# Allegro board AX7021B.brd
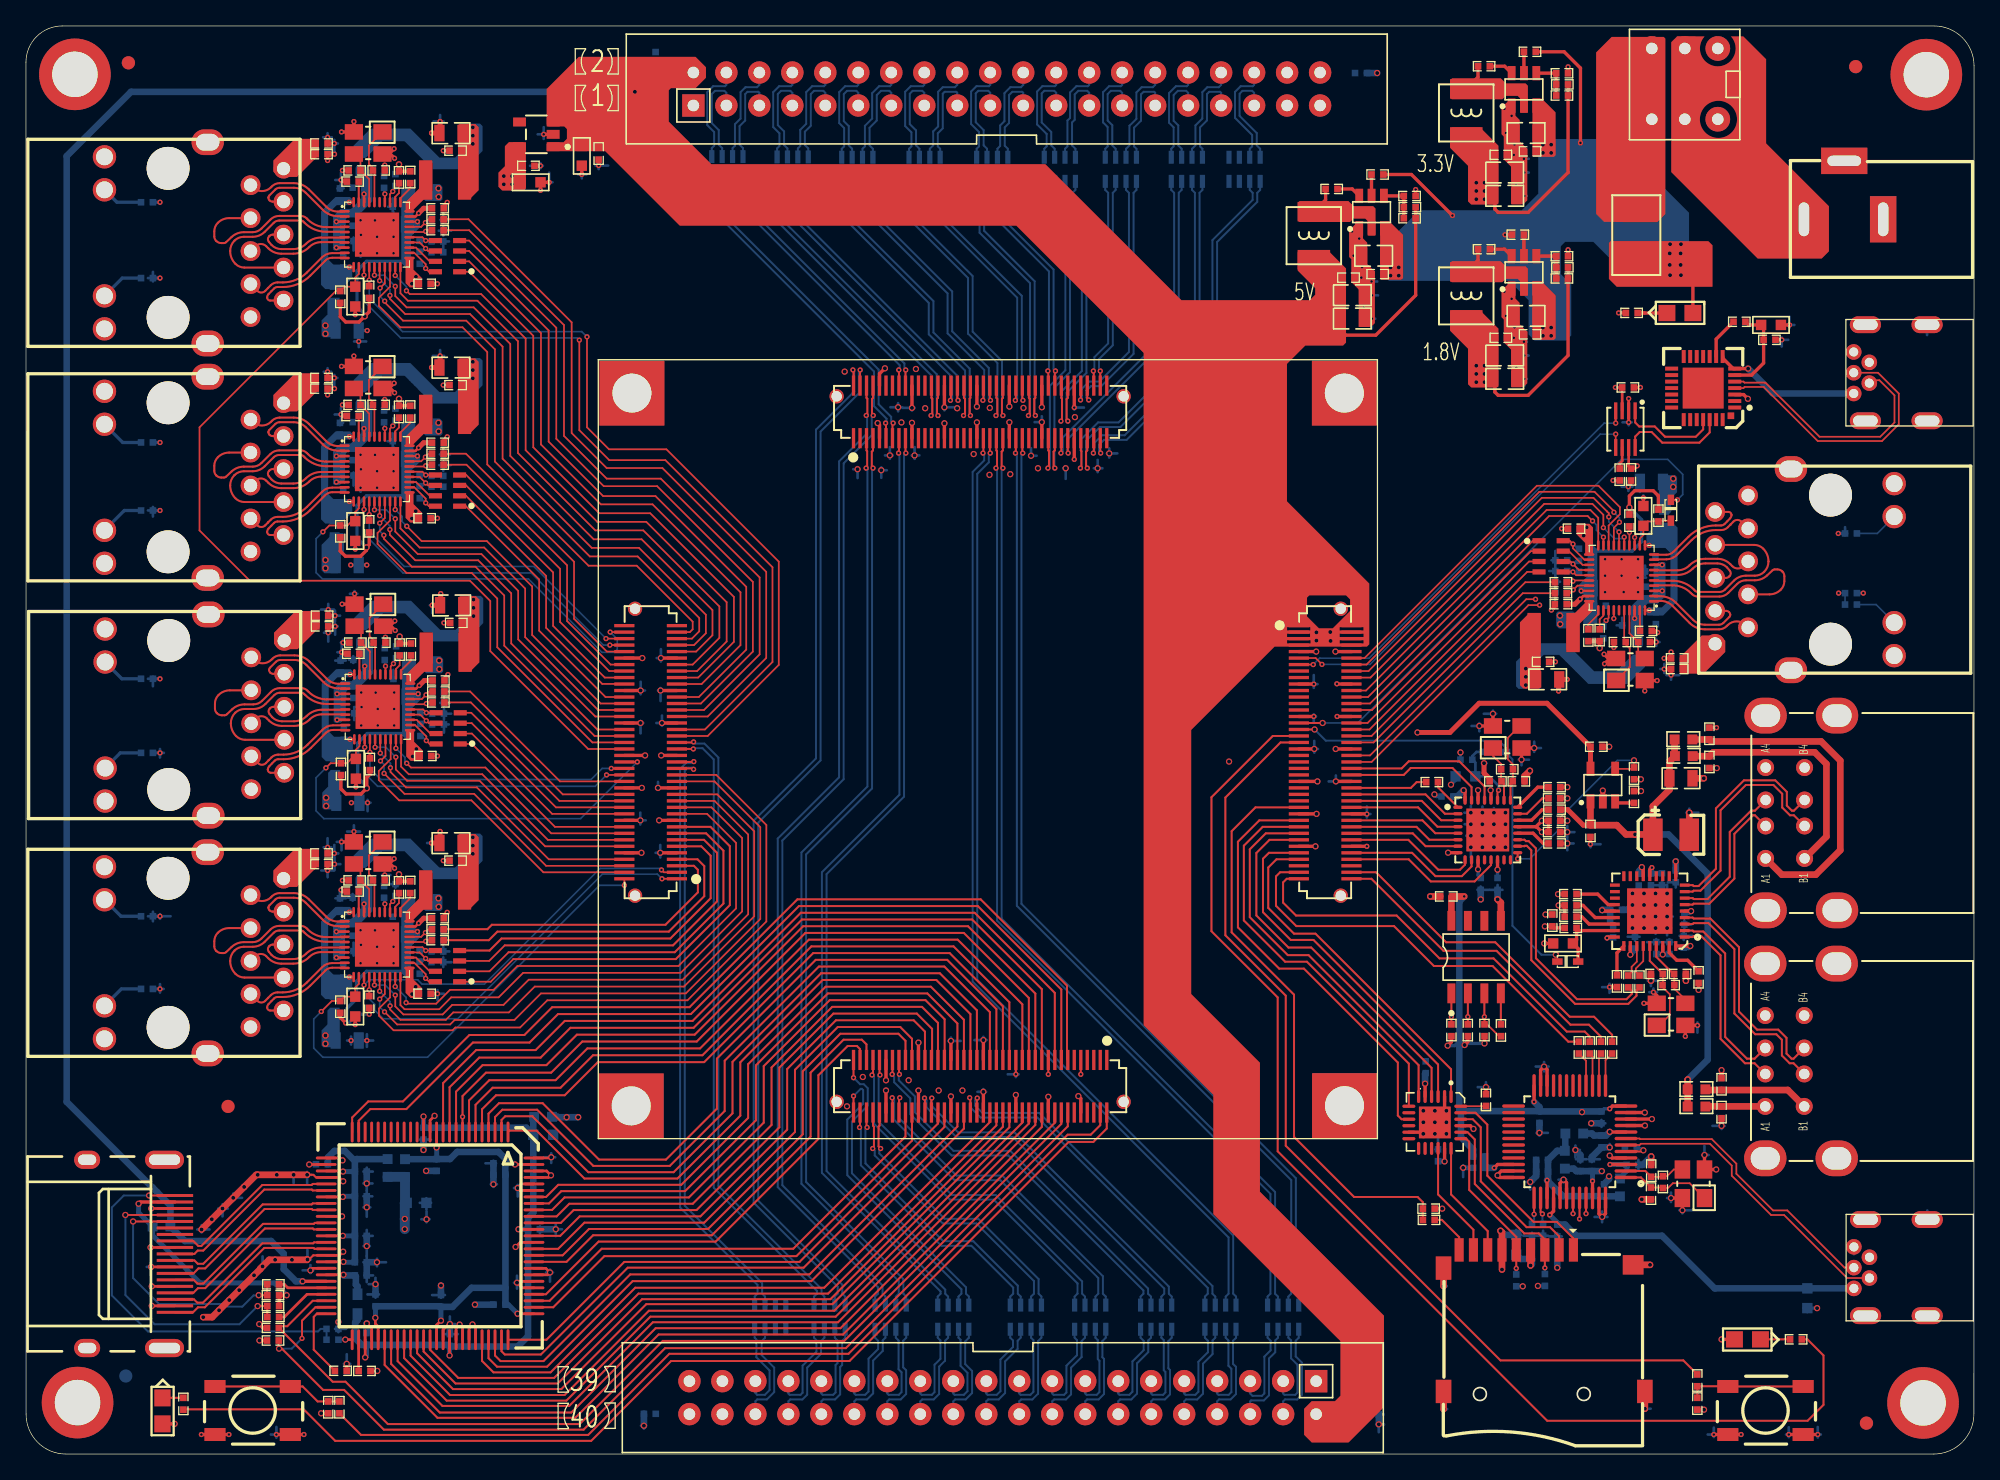
[diagram p0: board, top side]
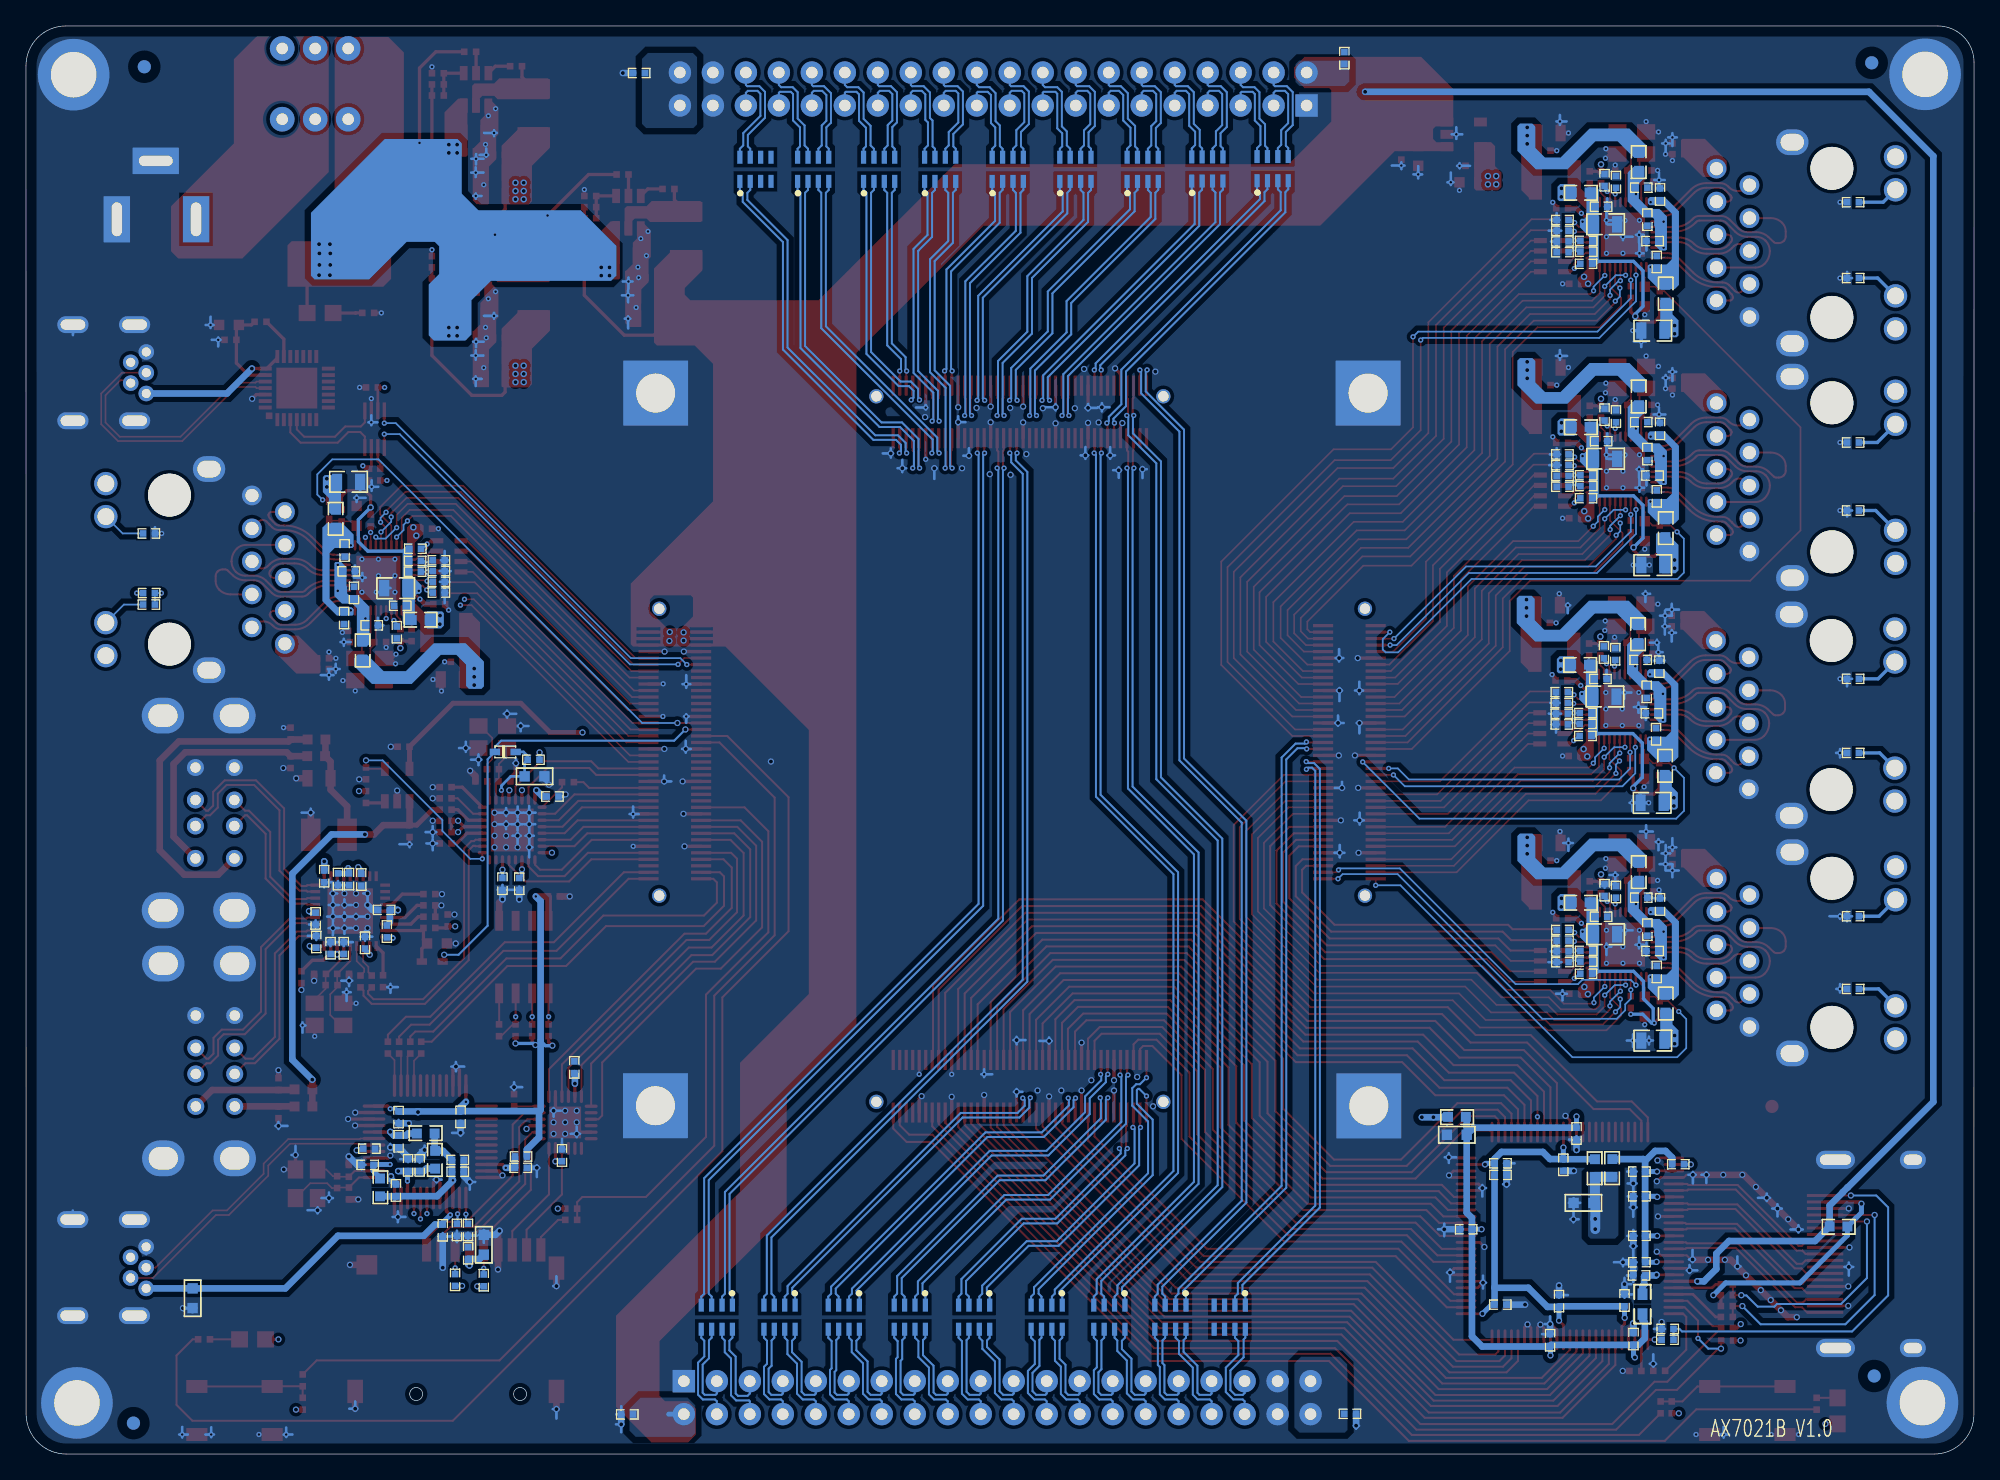
[diagram p1: board, bottom side, seen from below]

Outline 150.01 x 110 mm; copper layers: TOP, SGND, SVCC, BOTTOM. Coordinates in mm from the lower left corner of the outline.
Outline path: 0,107.21 arc(0.82,109.18) 2.79,110 146.94,110 arc(149.11,109.1) 150.01,106.93 150,3.1 arc(149.1,0.91) 146.91,0 3.07,0 arc(0.9,0.9) 0.01,3.07 0,107.21

## Design rules (mm)
net group EX_IO1_2P: nets EX_IO1_2N EX_IO1_2P
net group EX_IO1_4P: nets EX_IO1_4N EX_IO1_4P
net group EX_IO1_13P: nets EX_IO1_13N EX_IO1_13P
net group EX_IO1_14P: nets EX_IO1_14N EX_IO1_14P
net group EX_IO1_17N: nets EX_IO1_17N IO1_17N
net group EX_IO1_17P: nets EX_IO1_17P IO1_17P
net group EX_IO2_15P: nets IO2_15N IO2_15P
net group EX_IO2_15P1: nets EX_IO2_15N EX_IO2_15P
net group EX_IO2_16P: nets IO2_16N IO2_16P
net group EX_IO2_16P2: nets EX_IO2_16N EX_IO2_16P
net group IO1_4N: nets IO1_4N IO1_4P
net group IO1_13P: nets IO1_13N IO1_13P
net group IO1_14P: nets IO1_14N IO1_14P
net group OTG_D_P: nets OTG_D_N OTG_D_P
net group PHY1_MDI0: nets PHY1_MDI0_N PHY1_MDI0_P
net group PHY_MDI0_N: nets PHY2_MDI0_N PHY2_MDI0_P
net group PHY_MDI1_N: nets PHY1_MDI1_N PHY1_MDI1_P
net group PHY_MDI2_P: nets PHY1_MDI2_N PHY1_MDI2_P
net group PHY_MDI3_N: nets PHY1_MDI3_N PHY1_MDI3_P
net group USB1: nets N20065767 N20065769
net group USB2: nets N20328299 N20328339
net group XADC-DIFF: nets XADC_VN XADC_VP
net group DP-DN: nets DN1 DN2 DN3 DN4 DP1 DP2 DP3 DP4
net group ETH_RX: nets PHY1_RXCK PHY1_RXCTL PHY1_RXD0 PHY1_RXD1 PHY1_RXD2 PHY1_RXD3 PHY2_RXCK PHY2_RXCTL PHY2_RXD0 PHY2_RXD1 PHY2_RXD2 PHY2_RXD3 PHY3_RXCK PHY3_RXCTL PHY3_RXD0 PHY3_RXD1 PHY3_RXD2 PHY3_RXD3 PHY4_RXCK PHY4_RXCTL PHY4_RXD0 PHY4_RXD1 PHY4_RXD2 PHY4_RXD3 PHY5_RXCK PHY5_RXCTL PHY5_RXD0 PHY5_RXD1 PHY5_RXD2 PHY5_RXD3
net group ETH_TX: nets PHY1_TXCK PHY1_TXCTL PHY1_TXD0 PHY1_TXD1 PHY1_TXD2 PHY1_TXD3 PHY2_TXCK PHY2_TXCTL PHY2_TXD0 PHY2_TXD1 PHY2_TXD2 PHY2_TXD3 PHY3_TXCK PHY3_TXCTL PHY3_TXD0 PHY3_TXD1 PHY3_TXD2 PHY3_TXD3 PHY4_TXCK PHY4_TXCTL PHY4_TXD0 PHY4_TXD1 PHY4_TXD2 PHY4_TXD3 PHY5_TXCK PHY5_TXCTL PHY5_TXD0 PHY5_TXD1 PHY5_TXD2 PHY5_TXD3
net group HDMI: nets TX_0N TX_0P TX_1N TX_1P TX_2N TX_2P TX_CN TX_CP
net group J11-DIFF: nets EX_IO1_1N EX_IO1_1P EX_IO1_3N EX_IO1_3P EX_IO1_5N EX_IO1_5P EX_IO1_6N EX_IO1_6P EX_IO1_7N EX_IO1_7P EX_IO1_8N EX_IO1_8P EX_IO1_9N EX_IO1_9P EX_IO1_10N EX_IO1_10P EX_IO1_11N EX_IO1_11P EX_IO1_12N EX_IO1_12P EX_IO1_15N EX_IO1_15P EX_IO1_16N EX_IO1_16P IO1_1N IO1_1P IO1_2N IO1_2P IO1_3N IO1_3P IO1_5N IO1_5P IO1_6N IO1_6P IO1_7N IO1_7P IO1_8N IO1_8P IO1_9N IO1_9P IO1_10N IO1_10P IO1_11N IO1_11P IO1_12N IO1_12P IO1_15N IO1_15P IO1_16N IO1_16P
net group J13-DIFF: nets EX_IO2_1N EX_IO2_1P EX_IO2_2N EX_IO2_2P EX_IO2_3N EX_IO2_3P EX_IO2_4N EX_IO2_4P EX_IO2_5N EX_IO2_5P EX_IO2_6N EX_IO2_6P EX_IO2_7N EX_IO2_7P EX_IO2_8N EX_IO2_8P EX_IO2_9N EX_IO2_9P EX_IO2_10N EX_IO2_10P EX_IO2_11N EX_IO2_11P EX_IO2_12N EX_IO2_12P EX_IO2_13N EX_IO2_13P EX_IO2_14N EX_IO2_14P EX_IO2_17N EX_IO2_17P IO2_1N IO2_1P IO2_2N IO2_2P IO2_3N IO2_3P IO2_4N IO2_4P IO2_5N IO2_5P IO2_6N IO2_6P IO2_7N IO2_7P IO2_8N IO2_8P IO2_9N IO2_9P IO2_10N IO2_10P IO2_11N IO2_11P IO2_12N IO2_12P IO2_13N IO2_13P IO2_14N IO2_14P IO2_17N IO2_17P
net group OTG_DATA: nets OTG_CLK OTG_DATA0 OTG_DATA1 OTG_DATA2 OTG_DATA3 OTG_DATA4 OTG_DATA5 OTG_DATA6 OTG_DATA7 OTG_DIR OTG_NXT OTG_STP
net group PHY_MDI: nets PHY2_MDI1_N PHY2_MDI1_P PHY2_MDI2_N PHY2_MDI2_P PHY2_MDI3_N PHY2_MDI3_P PHY3_MDI0_N PHY3_MDI0_P PHY3_MDI1_N PHY3_MDI1_P PHY3_MDI2_N PHY3_MDI2_P PHY3_MDI3_N PHY3_MDI3_P PHY4_MDI0_N PHY4_MDI0_P PHY4_MDI1_N PHY4_MDI1_P PHY4_MDI2_N PHY4_MDI2_P PHY4_MDI3_N PHY4_MDI3_P PHY5_MDI0_N PHY5_MDI0_P PHY5_MDI1_N PHY5_MDI1_P PHY5_MDI2_N PHY5_MDI2_P PHY5_MDI3_N PHY5_MDI3_P
nets with their own width: min track width 0.127; nets GND

## Placement (name value [footprint] x y rotation side)
C1  0.1uF/25V  [C0402]  117.92 17.22 270 bottom
C2  10uF/10V  [C0603]  137.18 12 270 bottom
C3  0.1uF/25V  [C0402]  116.82 17.28 90 bottom
C4  0.1uF/25V  [C0402]  115.97 17.28 90 bottom
C5  0.1uF/25V  [C0402]  111.9 22.05 180 bottom
C8  0.1uF/25V  [C0402]  116.75 22.66 180 bottom
C9  0.1uF/25V  [C0402]  116.55 25.96 270 bottom
C10  0.1uF/25V  [C0402]  119.69 22.25 90 bottom
C11  0.1uF/25V  [C0402]  121.32 25.93 270 bottom
C12  0.1uF/25V  [C0402]  116.75 21.74 180 bottom
C13  0.1uF/25V  [C0402]  121.32 24.08 270 bottom
C14  0.1uF/25V  [C0402]  121.52 20.32 90 bottom
C15  0.1uF/25V  [C0402]  123.71 22.28 0 bottom
C16  0.1uF/25V  [C0402]  120.58 22.25 90 bottom
C17  0.1uF/25V  [C0402]  109.36 42.95 180 top
C22  10uF/10V  [C0603]  114.75 16.12 90 bottom
C23  0.1uF/25V  [C0402]  108.73 23.01 90 bottom
C24  0.1uF/25V  [C0402]  107.78 29.79 90 bottom
C25  0.1uF/25V  [C0402]  115.96 15.48 90 bottom
C52  2.2uF/6.3V  [C0402]  117.69 48.78 0 top
C53  0.1uF/25V  [C0402]  117.69 47.91 0 top
C54  0.1uF/25V  [C0402]  112.02 43.92 270 bottom
C55  0.1uF/25V  [C0402]  109.46 50.65 180 bottom
C56  0.1uF/25V  [C0402]  113.32 43.92 270 bottom
C57  10uF/10V  [C0603]  110.85 52.2 180 bottom
C58  4.7uF/10V  [C0402]  117.69 47.03 180 top
C59  18pF/6.3V  [C0402]  113.17 51.82 0 top
C60  18pF/6.3V  [C0402]  114.94 51.82 180 top
C61  0.1uF/25V  [C0402]  120.93 54.48 0 top
C62  22uF/25V  [C0805]  127.44 52.05 0 top
C63  100uF/10V  [TAN-SMB]  126.68 47.7 180 top
C64  4.7uF/10V  [C0402]  120.47 47.98 270 top
C65  10uF/10V  [C0603]  39.83 24.59 0 bottom
C66  0.1uF/25V  [C0402]  39.12 17.31 0 bottom
C67  0.1uF/25V  [C0402]  26.22 8.86 90 bottom
C68  0.1uF/25V  [C0402]  32.64 8.78 90 bottom
C69  0.1uF/25V  [C0402]  36.45 22.39 180 bottom
C70  0.1uF/25V  [C0402]  36.45 21.5 180 bottom
C71  0.1uF/25V  [C0402]  31.96 11.79 90 bottom
C72  0.1uF/25V  [C0402]  31.63 22.27 270 bottom
C73  0.1uF/25V  [C0402]  26.92 11.84 90 bottom
C74  0.1uF/25V  [C0402]  36.47 11.51 180 bottom
C75  0.1uF/25V  [C0402]  30.61 24.68 270 bottom
C76  0.1uF/25V  [C0402]  25.78 13.76 180 bottom
C77  0.1uF/25V  [C0402]  25.78 19.85 0 bottom
C78  0.1uF/25V  [C0402]  25.78 14.77 0 bottom
C79  0.1uF/25V  [C0402]  25.78 21.76 0 bottom
C80  0.1uF/25V  [C0402]  25.78 16.8 0 bottom
C81  10uF/10V  [C0603]  30.07 19.35 0 bottom
C186  0.1uF/25V  [C0402]  44.1 100.16 270 top
C187  0.1uF/25V  [C0402]  38.7 99.23 0 top
C188  10uF/10V  [C0603]  38.86 97.96 0 top
C189  10uF/10V  [C0603]  42.8 100 270 top
C190  0.1uF/25V  [C0402]  103.72 3.05 0 bottom
C191  0.1uF/25V  [C0402]  48.04 3.1 180 bottom
C192  0.1uF/25V  [C0402]  48.49 107.53 90 bottom
C193  0.1uF/25V  [C0402]  102.8 106.38 0 bottom
C221  10uF/10V  [C0603]  134.38 86.97 0 top
C222  1uF/25V  [C0402]  134.26 85.82 0 top
C223  0.1uF/25V  [C0402]  127.65 39.46 90 bottom
C224  2.2uF/6.3V  [C0402]  117.54 41.1 90 top
C225  0.1uF/25V  [C0402]  127.7 41.24 270 bottom
C226  0.1uF/25V  [C0402]  127.04 44.49 270 bottom
C227  0.1uF/25V  [C0402]  124.19 44.24 270 bottom
C228  0.1uF/25V  [C0402]  122.44 41.92 0 bottom
C229  0.1uF/25V  [C0402]  123.9 39.39 90 bottom
C230  0.1uF/25V  [C0402]  126.55 38.97 90 bottom
C231  4.7uF/10V  [C0402]  125.54 38.97 90 bottom
C232  0.1uF/25V  [C0402]  125.13 44.27 270 bottom
C233  4.7uF/10V  [C0402]  125.98 44.27 270 bottom
C234  18pF/6.3V  [C0402]  127.37 36.98 180 top
C235  18pF/6.3V  [C0402]  125.59 36.98 0 top
C236  10uF/10V  [C0603]  118.36 39.33 180 top
C237  4.7uF/10V  [C0402]  130.57 26.32 270 top
C238  4.7uF/10V  [C0402]  130.57 28.5 90 top
C239  0.1uF/25V  [C0402]  123.37 82.16 0 top
C240  0.1uF/25V  [C0402]  123.59 75.44 270 top
C241  4.7uF/10V  [C0402]  129.63 55.5 90 top
C242  4.7uF/10V  [C0402]  129.63 53.3 270 top
C243  18pF/6.3V  [C0402]  125.15 21.81 270 top
C244  18pF/6.3V  [C0402]  125.14 20.07 90 top
C615  22uF/25V  [C0805]  103.78 92.31 180 top
C616  0.01uF/25V  [C0402]  100.53 97.44 180 top
C617  22uF/25V  [C0805]  102.14 87.45 0 top
C618  150pF/6.3V  [C0402]  106.56 95.19 0 top
C619  22uF/25V  [C0805]  102.14 89.25 0 top
C620  0.1uF/25V  [C0402]  101.85 90.62 0 top
C621  22uF/25V  [C0805]  115.51 87.67 180 top
C622  0.01uF/25V  [C0402]  112.27 92.81 180 top
C623  22uF/25V  [C0805]  113.87 82.82 0 top
C624  150pF/6.3V  [C0402]  118.29 90.55 0 top
C625  22uF/25V  [C0805]  113.87 84.61 0 top
C626  0.1uF/25V  [C0402]  113.59 85.98 0 top
C627  22uF/25V  [C0805]  115.51 101.76 180 top
C628  0.01uF/25V  [C0402]  112.27 106.9 180 top
C629  150pF/6.3V  [C0402]  118.29 104.64 0 top
C630  22uF/25V  [C0805]  113.87 96.91 0 top
C631  22uF/25V  [C0805]  113.87 98.7 0 top
C632  0.1uF/25V  [C0402]  113.59 100.07 0 top
C670  0.1uF/25V  [C0402]  115.81 100.34 180 top
C671  0.1uF/25V  [C0402]  115.81 86.25 180 top
C672  0.1uF/25V  [C0402]  104.08 90.89 180 top
C673  0.1uF/25V  [C0402]  127.14 61.29 180 top
C674  1uF/25V  [C0402]  127.14 60.47 180 top
C675  18pF/6.3V  [C0402]  122.73 62.54 180 top
C676  18pF/6.3V  [C0402]  124.61 62.54 0 top
C1483  22uF/25V  [C0805]  117.18 59.67 0 top
C1484  0.1uF/25V  [C0402]  116.84 61.02 0 top
C1485  0.1uF/25V  [C0402]  125.14 67.99 180 bottom
C1486  0.1uF/25V  [C0402]  124.75 66.35 90 bottom
C1487  0.1uF/25V  [C0402]  119.2 71.28 180 top
C1488  0.1uF/25V  [C0402]  123.37 63.83 180 bottom
C1489  22uF/25V  [C0805]  125.17 74.88 180 bottom
C1490  0.1uF/25V  [C0402]  125.51 64.38 270 bottom
C1491  0.1uF/25V  [C0402]  125.47 69.58 270 bottom
C1492  22uF/25V  [C0805]  121.54 66.7 0 bottom
C1493  0.1uF/25V  [C0402]  121.2 65.34 0 bottom
C1494  0.1uF/25V  [C0402]  118.19 65.46 180 top
C1495  0.1uF/25V  [C0402]  25.61 42.86 180 bottom
C1496  0.1uF/25V  [C0402]  33.07 45.71 180 top
C1497  0.1uF/25V  [C0402]  24.77 38.74 0 bottom
C1498  22uF/25V  [C0805]  24.74 31.85 0 bottom
C1499  0.1uF/25V  [C0402]  24.18 42.35 90 bottom
C1500  0.1uF/25V  [C0402]  24.43 37.15 90 bottom
C1501  22uF/25V  [C0805]  28.37 40.03 180 bottom
C1502  0.1uF/25V  [C0402]  28.7 41.39 180 bottom
C1503  0.1uF/25V  [C0402]  31.72 41.27 0 top
C1504  NC  [C0603]  124.55 72.26 90 top
C1505  18pF/6.3V  [C0402]  27.17 44.19 0 top
C1506  18pF/6.3V  [C0402]  25.3 44.19 180 top
C1507  22uF/25V  [C0805]  32.73 47.06 180 top
C1508  0.1uF/25V  [C0402]  30.71 35.45 0 top
C1509  0.1uF/25V  [C0402]  25.15 40.38 270 bottom
C1510  10uF/10V  [C0603]  25.36 34.47 270 top
C1511  0.1uF/25V  [C0402]  22.77 45.44 0 top
C1512  1uF/25V  [C0402]  22.77 46.26 0 top
C1513  18pF/6.3V  [C0402]  27.22 62.5 0 top
C1514  18pF/6.3V  [C0402]  25.35 62.5 180 top
C1515  22uF/25V  [C0805]  32.78 65.38 180 top
C1516  0.1uF/25V  [C0402]  33.12 64.02 180 top
C1517  0.1uF/25V  [C0402]  25.66 61.17 180 bottom
C1518  0.1uF/25V  [C0402]  25.2 58.7 270 bottom
C1519  0.1uF/25V  [C0402]  30.76 53.77 0 top
C1520  0.1uF/25V  [C0402]  24.82 57.06 0 bottom
C1521  22uF/25V  [C0805]  24.79 50.17 0 bottom
C1522  0.1uF/25V  [C0402]  24.23 60.66 90 bottom
C1523  0.1uF/25V  [C0402]  24.48 55.46 90 bottom
C1524  22uF/25V  [C0805]  28.42 58.34 180 bottom
C1525  0.1uF/25V  [C0402]  28.75 59.7 180 bottom
C1526  0.1uF/25V  [C0402]  31.77 59.59 0 top
C1527  10uF/10V  [C0603]  25.41 52.78 270 top
C1528  0.1uF/25V  [C0402]  22.82 63.75 0 top
C1529  1uF/25V  [C0402]  22.82 64.58 0 top
C1530  18pF/6.3V  [C0402]  27.17 80.81 0 top
C1531  18pF/6.3V  [C0402]  25.3 80.81 180 top
C1532  22uF/25V  [C0805]  32.73 83.69 180 top
C1533  0.1uF/25V  [C0402]  33.07 82.33 180 top
C1534  0.1uF/25V  [C0402]  25.61 79.49 180 bottom
C1535  0.1uF/25V  [C0402]  25.15 77.01 270 bottom
C1536  0.1uF/25V  [C0402]  30.71 72.08 0 top
C1537  0.1uF/25V  [C0402]  24.77 75.37 0 bottom
C1538  22uF/25V  [C0805]  24.74 68.48 0 bottom
C1539  0.1uF/25V  [C0402]  24.18 78.97 90 bottom
C1540  0.1uF/25V  [C0402]  24.43 73.77 90 bottom
C1541  22uF/25V  [C0805]  28.37 76.66 180 bottom
C1542  0.1uF/25V  [C0402]  28.7 78.02 180 bottom
C1543  0.1uF/25V  [C0402]  31.72 77.9 0 top
C1544  10uF/10V  [C0603]  25.36 71.1 270 top
C1545  0.1uF/25V  [C0402]  22.77 82.07 0 top
C1546  1uF/25V  [C0402]  22.77 82.89 0 top
C1547  18pF/6.3V  [C0402]  27.17 98.87 0 top
C1548  18pF/6.3V  [C0402]  25.3 98.87 180 top
C1549  22uF/25V  [C0805]  32.73 101.75 180 top
C1550  0.1uF/25V  [C0402]  33.07 100.39 180 top
C1551  0.1uF/25V  [C0402]  24.77 93.43 0 bottom
C1552  0.1uF/25V  [C0402]  25.61 97.55 180 bottom
C1553  0.1uF/25V  [C0402]  30.71 90.14 0 top
C1554  0.1uF/25V  [C0402]  25.15 95.07 270 bottom
C1555  22uF/25V  [C0805]  24.74 86.54 0 bottom
C1556  0.1uF/25V  [C0402]  24.18 97.03 90 bottom
C1557  0.1uF/25V  [C0402]  24.43 91.83 90 bottom
C1558  0.1uF/25V  [C0402]  28.7 96.08 180 bottom
C1559  22uF/25V  [C0805]  28.37 94.72 180 bottom
C1560  0.1uF/25V  [C0402]  31.72 95.96 0 top
C1561  10uF/10V  [C0603]  25.36 89.15 270 top
C1562  0.1uF/25V  [C0402]  22.77 100.13 0 top
C1563  1uF/25V  [C0402]  22.77 100.95 0 top
CN1  AJ243-3-3C  [CN1-DCJACK]  143.01 95.11 90 top
CON1  CON40X2_0_5MM  [AXK680337YG]  100.04 54.06 270 top
CON2  CON40X2_0_5MM  [AXK680337YG]  73.48 80.27 0 top
CON3  CON40X2_0_5MM  [AXK680337YG]  48.1 54.06 90 top
CON4  CON40X2_0_5MM  [AXK680337YG]  73.48 28.33 180 top
D2  BAS16XV2T1G  [SOD-523]  113.1 54.08 270 bottom
D3  BAS16XV2T1G  [SOD-523]  118.73 37.93 270 top
D35  BAS16XV2T1G  [SOD-523]  126.67 72.7 180 top
F1  SMD0603P014TF-33  [L0603]  10.44 17.53 180 bottom
F2  2A  [FUSE_1812]  124 93.89 270 top
H1  NC  [HOLE]  3.77 106.27 0 top
H2  NC  [HOLE]  146.09 3.94 0 top
H3  NC  [HOLE]  146.34 106.25 0 top
H4  NC  [HOLE]  3.97 3.96 0 top
HOLE1  NC  [FPAD_1]  46.66 81.72 0 top
HOLE2  NC  [FPAD_1]  46.61 26.82 0 top
HOLE3  NC  [FPAD_1]  101.54 26.83 0 top
HOLE4  NC  [FPAD_1]  101.52 81.72 0 top
J1  MINI_USB  [MINI_USB_DIP]  141.66 14.36 90 top
J2  MINI_USB  [MINI_USB_DIP]  141.65 83.29 90 top
J3  Micro SD  [MICRO_SD]  119.16 15.72 0 top
J4  HR911130A  [GE_RJ45]  138.96 62.38 0 top
J5  DUAL USB  [DUAL_USB]  136.69 30.28 90 top
J6  DUAL USB  [DUAL_USB]  136.71 49.38 90 top
J9  HDMI OUT  [HDMI_A_TYPE]  12.62 22.91 0 top
J10  HR911130A  [GE_RJ45]  10.94 44.35 180 top
J11  HR911130A  [GE_RJ45]  11 62.66 180 top
J12  HR911130A  [GE_RJ45]  10.94 80.97 180 top
J13  HR911130A  [GE_RJ45]  10.94 99.03 180 top
J15  BH2x20P_2_54  [IDC-40J]  75.22 4.34 180 top
J16  BH2x20P_2_54  [IDC-40J]  75.52 105.14 0 top
KEY1  Button  [KEY_4X4X1_5]  133.95 3.35 180 top
KEY2  Button  [KEY_4X4X1_5]  17.46 3.35 180 top
L1  120OHM@100Mhz  [L0603]  119.22 24.69 0 bottom
L2  120OHM@100Mhz  [L0603]  122.74 20.54 90 bottom
L3  120OHM@100Mhz  [L0603]  118.5 22.67 270 bottom
L7  600OHM@100Mhz  [L0603]  39.82 25.97 180 bottom
L8  600OHM@100Mhz  [L0603]  29.19 22.02 270 bottom
L9  600OHM@100Mhz  [L0603]  27.85 22.03 270 bottom
L26  600OHM@100Mhz  [L0603]  128.64 26.77 180 top
L27  600OHM@100Mhz  [L0603]  127.64 55.04 180 top
L29  600OHM@100Mhz  [L0603]  128.64 28.09 180 top
L30  600OHM@100Mhz  [L0603]  127.66 53.76 180 top
L39  CMLB041B-4R7MS  [L4_4X4_2]  99.17 93.85 0 top
L40  CMLB041B-4R7MS  [L4_4X4_2]  110.91 89.21 0 top
L41  CMLB041B-4R7MS  [L4_4X4_2]  110.91 103.3 0 top
L62  2.2uH  [LVS303010]  118.63 63.28 90 top
L63  120OHM@100Mhz  [L0603]  126.14 72.05 270 bottom
L64  120OHM@100Mhz  [L0603]  124.11 61.89 90 bottom
L65  120OHM@100Mhz  [L0603]  119.62 64.24 0 bottom
L66  2.2uH  [LVS303010]  31.27 43.45 270 top
L67  120OHM@100Mhz  [L0603]  23.77 34.68 90 bottom
L68  120OHM@100Mhz  [L0603]  25.8 44.84 270 bottom
L69  120OHM@100Mhz  [L0603]  30.29 42.49 180 bottom
L70  2.2uH  [LVS303010]  31.32 61.77 270 top
L71  120OHM@100Mhz  [L0603]  23.82 53 90 bottom
L72  120OHM@100Mhz  [L0603]  25.85 63.16 270 bottom
L73  120OHM@100Mhz  [L0603]  30.34 60.8 180 bottom
L74  2.2uH  [LVS303010]  31.27 80.08 270 top
L75  120OHM@100Mhz  [L0603]  23.77 71.31 90 bottom
L76  120OHM@100Mhz  [L0603]  25.8 81.47 270 bottom
L77  120OHM@100Mhz  [L0603]  30.29 79.12 180 bottom
L78  2.2uH  [LVS303010]  31.27 98.14 270 top
L79  120OHM@100Mhz  [L0603]  23.77 89.37 90 bottom
L80  120OHM@100Mhz  [L0603]  25.8 99.53 270 bottom
L81  120OHM@100Mhz  [L0603]  30.29 97.18 180 bottom
LED1  RED  [LED0805]  132.56 8.83 90 top
LED2  RED  [LED0805]  10.51 3.32 180 top
LED9  RED  [LED0805]  127.36 87.89 270 top
NOREF  -  []  -0.01 8.55 0 top
NOREF#2  -  [unnamed#2]  15.56 26.77 0 top
NOREF#3  -  [unnamed#2]  141.72 2.38 0 top
NOREF#4  -  [unnamed#2]  7.89 107.16 0 top
NOREF#5  -  [unnamed#2]  140.9 106.87 0 top
NOREF#6  -  []  145.91 0.12 90 top
NOREF#7  -  [unnamed#2]  141.74 2.38 180 bottom
NOREF#8  -  [unnamed#2]  7.69 6.01 180 bottom
NOREF#9  -  [unnamed#2]  140.9 106.86 180 bottom
NOREF#10  -  [unnamed#2]  7.88 107.16 180 bottom
R3  33R  [R0402]  122.14 31.3 270 top
R4  33R  [R0402]  121.28 31.3 270 top
R5  33R  [R0402]  120.42 31.3 270 top
R6  33R  [R0402]  119.57 31.3 270 top
R7  10K/1%  [R0402]  111.9 22.92 0 bottom
R8  12.1K/1%  [R0402]  123.58 23.52 0 bottom
R9  10K/1%  [R0402]  109.76 32.64 270 top
R10  10K/1%  [R0402]  111.03 32.64 270 top
R11  10K/1%  [R0402]  112.31 32.64 270 top
R12  2K  [R0402]  113.58 32.64 90 top
R16  NC  [R0402]  114.76 13.38 270 bottom
R17  4.7K  [R0402]  116.97 13.41 270 bottom
R18  4.7K  [R0402]  112.43 27.27 270 top
R19  10K/1%  [R0402]  108.02 18.9 0 top
R20  330R  [R0402]  108.02 18.04 180 top
R36  1.5K  [R0402]  110.92 53.48 180 bottom
R37  33R  [R0402]  108.28 51.75 0 top
R38  1M  [R0402]  114.05 52.75 180 top
R39  8.06K  [R0402]  117.69 51.37 180 top
R40  1K  [R0402]  117.69 49.64 180 top
R41  100K/1%  [R0402]  123.83 50.61 270 top
R42  10K/1%  [R0402]  123.83 52.43 90 top
R43  0R  [R0603]  25.53 11.55 270 bottom
R44  33R  [R0402]  19.04 13.07 180 top
R45  33R  [R0402]  19.04 10.56 180 top
R46  10K/1%  [R0402]  26.07 6.4 0 top
R47  33R  [R0402]  23.6 8.81 180 bottom
R48  4.7K  [R0402]  19.02 9.71 180 top
R49  4.7K  [R0402]  19.01 8.74 180 top
R50  10K/1%  [R0402]  24.24 6.41 0 top
R51  698R  [R0402]  22.79 22.32 0 bottom
R52  10K/1%  [R0402]  23.6 9.64 0 bottom
R53  10K/1%  [R0402]  19.04 12.23 0 top
R54  10K/1%  [R0402]  19.04 11.4 0 top
R119  10K/1%  [R0402]  128.7 3.88 270 top
R121  1K  [R0402]  128.7 5.68 90 top
R123  10K/1%  [R0402]  23.28 3.6 270 top
R129  1K  [R0402]  24.13 3.6 270 top
R131  220R  [R0402]  136.3 8.83 180 top
R133  220R  [R0402]  12.12 3.87 90 top
R137  680R  [R0402]  123.66 87.9 0 top
R150  22R  [R0402]  123.39 36.4 90 top
R151  22R  [R0402]  124.25 36.4 90 top
R152  10K/1%  [R0402]  122.51 36.42 90 top
R153  1.5K  [R0402]  118.95 40.52 180 top
R154  10K/1%  [R0402]  118.95 43.13 0 top
R155  10K/1%  [R0402]  118.95 42.26 0 top
R156  10K/1%  [R0402]  118.95 41.39 0 top
R157  1M  [R0402]  126.48 36.12 180 top
R158  12K/1%  [R0402]  128.8 36.73 90 top
R159  10K/1%  [R0402]  131.95 87.21 0 top
R160  1K  [R0402]  122.73 75.45 90 top
R162  10K/1%  [R0402]  117.69 50.51 0 top
R163  10K/1%  [R0402]  122.22 40.26 90 bottom
R164  1M  [R0402]  126.05 20.94 270 top
R316  10K/1%  [R0402]  106.56 96.9 0 top
R317  56K/1%  [R0402]  106.56 96.04 180 top
R318  10K/1%  [R0402]  104.07 98.56 180 top
R319  15K/1%  [R0402]  118.29 92.26 0 top
R320  18.7K/1%  [R0402]  118.29 91.41 180 top
R323  18K/1%  [R0402]  118.29 106.36 0 top
R324  56.2K/1%  [R0402]  118.29 105.5 180 top
R325  10K/1%  [R0402]  115.81 108.01 180 top
R326  10K/1%  [R0402]  114.89 93.92 0 top
R1025  4.7K  [R0402]  120.31 63.07 90 top
R1026  100K/1%  [R0402]  125.7 72.29 90 top
R1027  1.5K  [R0402]  123.47 71.91 90 top
R1028  4.7K  [R0402]  121.18 63.07 270 top
R1029  4.7K  [R0402]  140.54 66.31 0 bottom
R1030  4.7K  [R0402]  121.45 63.29 270 bottom
R1031  33R  [R0402]  118.19 66.31 180 top
R1032  33R  [R0402]  118.19 67.15 180 top
R1033  2.49K/1%  [R0402]  124.74 63.4 180 top
R1034  510R  [R0402]  140.54 70.91 180 bottom
R1035  510R  [R0402]  140.54 65.43 180 bottom
R1036  NC  [R0402]  118.23 68.02 0 bottom
R1037  NC  [R0402]  118.23 68.84 0 bottom
R1038  4.7K  [R0402]  120.05 68.8 0 bottom
R1039  4.7K  [R0402]  120.05 67.97 0 bottom
R1040  4.7K  [R0402]  120.04 69.74 0 bottom
R1041  4.7K  [R0402]  118.23 66.36 0 bottom
R1042  4.7K  [R0402]  118.23 67.19 0 bottom
R1043  1.5K  [R0402]  26.43 34.82 270 top
R1045  4.7K  [R0402]  28.73 43.66 90 top
R1046  4.7K  [R0402]  28.45 43.44 90 bottom